# KiCad board q2.kicad_pcb (continued)
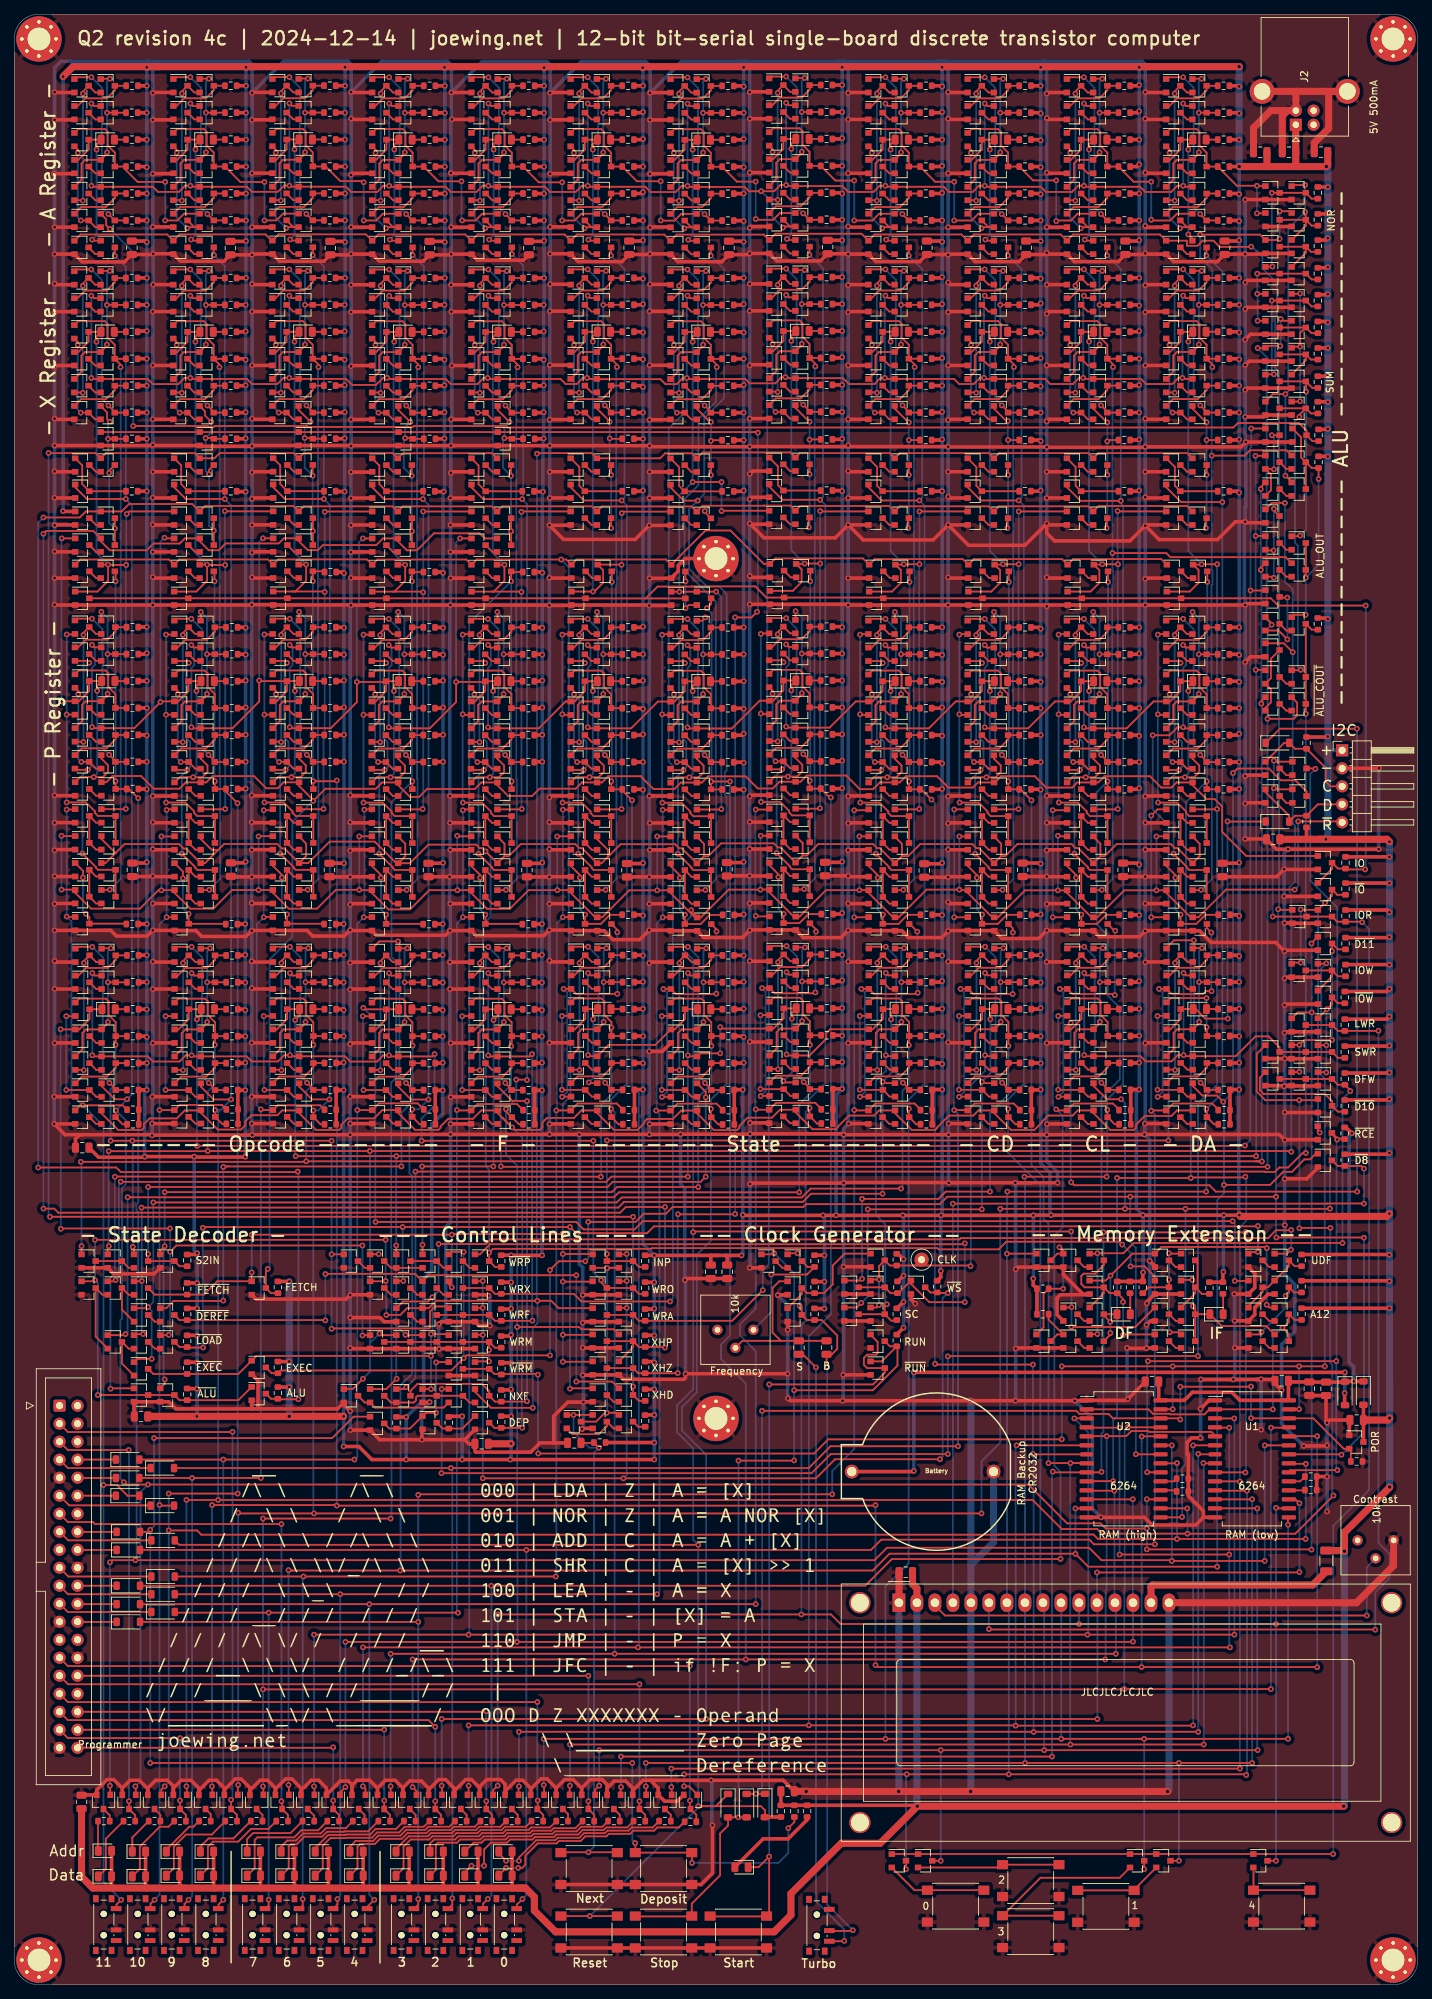
[diagram p0: board, top side]
## Routing (per net, layer and track width the routed paths; a pad name or vN(x,y) marks a point on that pad's centre or on a via; arc(x,y) is an arc through that point) (continued)
  Top w0.25: R177.2 Q412.3 v1(111.15,141.55) ; Q408.1 110.3,146.35 v1(111.55,146.35) ; Q416.1 107.55,132.1 107.55,134.39 108.06,134.9 Q409.1 111.15,135.8 v1(111.15,135.95)
  Bottom w0.25: v1(111.15,135.95) v1(111.15,141.55) 111.15,145.95 v1(111.55,146.35)
Net-(Q408-Pad2): length 19.8
  Top w0.25: Q408.2 109.5,144.4 Q411.3 107.75,144.55 v1(107.75,144.25) ; v1(107.75,129.15) 107.7,129.2 Q416.2
  Bottom w0.25: v1(107.75,129.15) v1(107.75,144.25)
Net-(Q408-Pad3): length 8.8
  Top w0.25: Q415.1 107,142.5 108.08,143.58 111.13,143.58 112.25,144.7 Q408.3 R175.2
Net-(Q409-Pad2): length 2.1
  Top w0.25: Q410.3 109.5,133 Q409.2
Net-(Q411-Pad1): length 25.6
  Top w0.25: R180.2 Q417.3 112.25,126.48 v1(111.37,127.36) ; Q411.1 106.8,146.55 v1(108.95,146.55)
  Bottom w0.25: v1(108.95,146.55) 110.42,145.08 110.42,128.3 v1(111.37,127.36)
Net-(Q412-Pad2): length 2.1
  Top w0.25: Q415.3 109.5,140.6 Q412.2
Net-(Q413-Pad2): length 2.1
  Top w0.25: Q416.3 109.5,129.2 Q413.2
Net-(Q413-Pad3): length 8.8
  Top w0.25: Q418.1 107.5,128.25 111,128.25 112.25,129.5 Q413.3 R178.2
Net-(Q414-Pad2): length 17.1
  Top w0.25: Q417.2 109.5,125.4 Q418.3 105.3,126.35 v1(105.28,126.37) ; v1(105.28,136.77) 105.3,136.8 Q414.2
  Bottom w0.25: v1(105.28,126.37) v1(105.28,136.77)
Net-(Q419-Pad2): length 2.1
  Top w0.25: Q420.3 123.45,121.45 Q419.2
Net-(Q422-Pad2): length 2.1
  Top w0.25: Q423.3 123.45,244.15 Q422.2
Net-(Q424-Pad1): length 22.6
  Top w0.25: R186.2 Q428.3 v1(125.1,264.1) ; Q424.1 124.25,268.9 v1(125.5,268.9) ; Q432.1 121.5,254.65 121.5,256.94 122.01,257.45 Q425.1 125.1,258.35 v1(125.1,258.5)
  Bottom w0.25: v1(125.1,258.5) v1(125.1,264.1) 125.1,268.5 v1(125.5,268.9)
Net-(Q424-Pad2): length 19.8
  Top w0.25: Q424.2 123.45,266.95 Q427.3 121.7,267.1 v1(121.7,266.8) ; v1(121.7,251.7) 121.65,251.75 Q432.2
  Bottom w0.25: v1(121.7,251.7) v1(121.7,266.8)
Net-(Q424-Pad3): length 8.8
  Top w0.25: Q431.1 120.95,265.05 122.03,266.13 125.08,266.13 126.2,267.25 Q424.3 R184.2
Net-(Q425-Pad2): length 2.1
  Top w0.25: Q426.3 123.45,255.55 Q425.2
Net-(Q427-Pad1): length 25.6
  Top w0.25: R189.2 Q433.3 v1(125.3,249.8) ; Q427.1 120.75,269.1 v1(122.9,269.1)
  Bottom w0.25: v1(122.9,269.1) 124.37,267.63 124.37,250.73 v1(125.3,249.8)
Net-(Q428-Pad2): length 2.1
  Top w0.25: Q431.3 123.45,263.15 Q428.2
Net-(Q429-Pad2): length 2.1
  Top w0.25: Q432.3 123.45,251.75 Q429.2
Net-(Q429-Pad3): length 8.8
  Top w0.25: Q434.1 121.45,250.8 124.95,250.8 126.2,252.05 Q429.3 R187.2
Net-(Q430-Pad2): length 16.3
  Top w0.25: Q434.3 123.45,247.95 Q433.2 122.6,247.95 v1(122.45,247.79) ; Q430.2 120.98,258.88 v1(120.98,258.45)
  Bottom w0.25: v1(120.98,258.45) 120.98,249.26 v1(122.45,247.79)
Net-(Q435-Pad2): length 2.1
  Top w0.25: Q436.3 123.48,167.72 Q435.2
Net-(Q437-Pad2): length 8
  Top w0.25: Q437.2 123.48,156.32 Q442.3 Q441.3 123.48,152.52 Q438.2
Net-(Q439-Pad2): length 8
  Top w0.25: Q440.2 123.48,163.92 Q444.3 Q443.3 123.48,160.12 Q439.2
Net-(Q442-Pad1): length 15.2
  Top w0.25: v1(121.8,156.18) 121.8,156.56 120.53,157.84 Q442.1 ; v1(122.54,150.98) 122.54,149.68 Q445.3 124.76,149.67 126.04,150.95 127.77,150.95
  Bottom w0.25: v1(122.54,150.98) 121.8,151.72 v1(121.8,156.18)
Net-(Q446-Pad1): length 23.9
  Top w0.25: R193.2 Q450.3 v1(125.1,187.7) ; 124.25,192.5 Q446.1 124.23,192.48 v1(124.23,193.67) ; Q454.1 121.5,178.25 121.5,180.54 122.01,181.05 Q447.1 125.1,181.95 v1(125.1,182.1)
  Bottom w0.25: v1(125.1,182.1) v1(125.1,187.7) 125.1,192.8 v1(124.23,193.67)
Net-(Q446-Pad2): length 19.8
  Top w0.25: Q446.2 123.45,190.55 Q449.3 121.7,190.7 v1(121.7,190.4) ; v1(121.7,175.3) 121.65,175.35 Q454.2
  Bottom w0.25: v1(121.7,175.3) v1(121.7,190.4)
Net-(Q446-Pad3): length 8.8
  Top w0.25: Q453.1 120.95,188.65 122.03,189.73 125.08,189.73 126.2,190.85 Q446.3 R191.2
Net-(Q447-Pad2): length 2.1
  Top w0.25: Q448.3 123.45,179.15 Q447.2
Net-(Q449-Pad1): length 25.6
  Top w0.25: R196.2 Q455.3 126.2,172.63 v1(125.32,173.51) ; Q449.1 120.75,192.7 v1(122.9,192.7)
  Bottom w0.25: v1(122.9,192.7) 124.37,191.23 124.37,174.45 v1(125.32,173.51)
Net-(Q450-Pad2): length 2.1
  Top w0.25: Q453.3 123.45,186.75 Q450.2
Net-(Q451-Pad2): length 2.1
  Top w0.25: Q454.3 123.45,175.35 Q451.2
Net-(Q451-Pad3): length 8.8
  Top w0.25: Q456.1 121.45,174.4 124.95,174.4 126.2,175.65 Q451.3 R194.2
Net-(Q452-Pad2): length 14
  Top w0.25: Q455.2 123.45,171.55 Q456.3 v1(121.4,172.5) ; Q452.2 120.98,182.47 v1(120.98,182.05)
  Bottom w0.25: v1(120.98,182.05) 120.98,172.92 v1(121.4,172.5)
Net-(Q457-Pad2): length 2.1
  Top w0.25: Q460.3 123.55,198.45 Q457.2
Net-(Q458-Pad2): length 2.1
  Top w0.25: Q461.3 123.45,205.95 Q458.2
Net-(Q459-Pad2): length 2.1
  Top w0.25: Q462.3 123.45,213.45 Q459.2
Net-(Q462-Pad1): length 10.8
  Top w0.25: R198.2 Q464.3 121.72,211.48 121.72,214.13 Q462.1
Net-(Q465-Pad1): length 22.6
  Top w0.25: R201.2 Q469.3 v1(125.1,237) ; Q465.1 124.25,241.8 v1(125.5,241.8) ; Q473.1 121.5,227.55 121.5,229.84 122.01,230.35 Q466.1 125.1,231.25 v1(125.1,231.4)
  Bottom w0.25: v1(125.1,231.4) v1(125.1,237) 125.1,241.4 v1(125.5,241.8)
Net-(Q465-Pad2): length 19.8
  Top w0.25: Q465.2 123.45,239.85 Q468.3 121.7,240 v1(121.7,239.7) ; v1(121.7,224.6) 121.65,224.65 Q473.2
  Bottom w0.25: v1(121.7,224.6) v1(121.7,239.7)
Net-(Q465-Pad3): length 8.8
  Top w0.25: Q472.1 120.95,237.95 122.03,239.03 125.08,239.03 126.2,240.15 Q465.3 R199.2
Net-(Q466-Pad2): length 2.1
  Top w0.25: Q467.3 123.45,228.45 Q466.2
Net-(Q468-Pad1): length 25.6
  Top w0.25: R204.2 Q474.3 126.2,221.93 v1(125.32,222.81) ; Q468.1 120.75,242 v1(122.9,242)
  Bottom w0.25: v1(122.9,242) 124.37,240.53 124.37,223.75 v1(125.32,222.81)
Net-(Q469-Pad2): length 2.1
  Top w0.25: Q472.3 123.45,236.05 Q469.2
Net-(Q470-Pad2): length 2.1
  Top w0.25: Q473.3 123.45,224.65 Q470.2
Net-(Q470-Pad3): length 8.8
  Top w0.25: Q475.1 121.45,223.7 124.95,223.7 126.2,224.95 Q470.3 R202.2
Net-(Q471-Pad2): length 14
  Top w0.25: Q474.2 123.45,220.85 Q475.3 v1(121.4,221.8) ; Q471.2 120.98,231.77 v1(120.98,231.35)
  Bottom w0.25: v1(120.98,231.35) 120.98,222.22 v1(121.4,221.8)
Net-(Q476-Pad1): length 22.6
  Top w0.25: R207.2 Q480.3 v1(125.15,141.45) ; Q476.1 124.3,146.25 v1(125.55,146.25) ; Q484.1 121.55,132 121.55,134.29 122.06,134.8 Q477.1 125.15,135.7 v1(125.15,135.85)
  Bottom w0.25: v1(125.15,135.85) v1(125.15,141.45) 125.15,145.85 v1(125.55,146.25)
Net-(Q476-Pad2): length 19.8
  Top w0.25: Q476.2 123.5,144.3 Q479.3 121.75,144.45 v1(121.75,144.15) ; v1(121.75,129.05) 121.7,129.1 Q484.2
  Bottom w0.25: v1(121.75,129.05) v1(121.75,144.15)
Net-(Q476-Pad3): length 8.8
  Top w0.25: Q483.1 121,142.4 122.08,143.48 125.13,143.48 126.25,144.6 Q476.3 R205.2
Net-(Q477-Pad2): length 2.1
  Top w0.25: Q478.3 123.5,132.9 Q477.2
Net-(Q479-Pad1): length 25.6
  Top w0.25: R210.2 Q485.3 126.25,126.38 v1(125.37,127.26) ; Q479.1 120.8,146.45 v1(122.95,146.45)
  Bottom w0.25: v1(122.95,146.45) 124.42,144.98 124.42,128.2 v1(125.37,127.26)
Net-(Q480-Pad2): length 2.1
  Top w0.25: Q483.3 123.5,140.5 Q480.2
Net-(Q481-Pad2): length 2.1
  Top w0.25: Q484.3 123.5,129.1 Q481.2
Net-(Q481-Pad3): length 8.8
  Top w0.25: Q486.1 121.5,128.15 125,128.15 126.25,129.4 Q481.3 R208.2
Net-(Q482-Pad2): length 17.1
  Top w0.25: Q485.2 123.5,125.3 Q486.3 119.3,126.25 v1(119.28,126.27) ; v1(119.28,136.67) 119.3,136.7 Q482.2
  Bottom w0.25: v1(119.28,126.27) v1(119.28,136.67)
Net-(Q487-Pad2): length 2.1
  Top w0.25: Q488.3 151.45,121.45 Q487.2
Net-(Q490-Pad2): length 2.1
  Top w0.25: Q491.3 151.45,244.15 Q490.2
Net-(Q492-Pad1): length 22.6
  Top w0.25: R216.2 Q496.3 v1(153.1,264.1) ; Q492.1 152.25,268.9 v1(153.5,268.9) ; Q500.1 149.5,254.65 149.5,256.94 150.01,257.45 Q493.1 153.1,258.35 v1(153.1,258.5)
  Bottom w0.25: v1(153.1,258.5) v1(153.1,264.1) 153.1,268.5 v1(153.5,268.9)
Net-(Q492-Pad2): length 19.8
  Top w0.25: Q492.2 151.45,266.95 Q495.3 149.7,267.1 v1(149.7,266.8) ; v1(149.7,251.7) 149.65,251.75 Q500.2
  Bottom w0.25: v1(149.7,251.7) v1(149.7,266.8)
Net-(Q492-Pad3): length 8.8
  Top w0.25: Q499.1 148.95,265.05 150.03,266.13 153.08,266.13 154.2,267.25 Q492.3 R214.2
Net-(Q493-Pad2): length 2.1
  Top w0.25: Q494.3 151.45,255.55 Q493.2
Net-(Q495-Pad1): length 25.6
  Top w0.25: R219.2 Q501.3 v1(153.3,249.8) ; Q495.1 148.75,269.1 v1(150.9,269.1)
  Bottom w0.25: v1(150.9,269.1) 152.37,267.63 152.37,250.73 v1(153.3,249.8)
Net-(Q496-Pad2): length 2.1
  Top w0.25: Q499.3 151.45,263.15 Q496.2
Net-(Q497-Pad2): length 2.1
  Top w0.25: Q500.3 151.45,251.75 Q497.2
Net-(Q497-Pad3): length 8.8
  Top w0.25: Q502.1 149.45,250.8 152.95,250.8 154.2,252.05 Q497.3 R217.2
Net-(Q498-Pad2): length 16.3
  Top w0.25: Q502.3 151.45,247.95 Q501.2 150.6,247.95 v1(150.45,247.79) ; Q498.2 148.98,258.88 v1(148.98,258.45)
  Bottom w0.25: v1(148.98,258.45) 148.98,249.26 v1(150.45,247.79)
Net-(Q503-Pad2): length 2.1
  Top w0.25: Q504.3 151.48,167.72 Q503.2
Net-(Q505-Pad2): length 8
  Top w0.25: Q505.2 151.48,156.32 Q510.3 Q509.3 151.48,152.52 Q506.2
Net-(Q507-Pad2): length 8
  Top w0.25: Q508.2 151.48,163.92 Q512.3 Q511.3 151.48,160.12 Q507.2
Net-(Q510-Pad1): length 15.2
  Top w0.25: v1(149.8,156.18) 149.8,156.56 148.53,157.84 Q510.1 ; v1(150.54,150.98) 150.54,149.68 Q513.3 152.76,149.67 154.04,150.95 155.77,150.95
  Bottom w0.25: v1(150.54,150.98) 149.8,151.72 v1(149.8,156.18)
Net-(Q514-Pad1): length 23.9
  Top w0.25: R223.2 Q518.3 v1(153.1,187.7) ; 152.25,192.5 Q514.1 152.23,192.48 v1(152.23,193.67) ; Q522.1 149.5,178.25 149.5,180.54 150.01,181.05 Q515.1 153.1,181.95 v1(153.1,182.1)
  Bottom w0.25: v1(153.1,182.1) v1(153.1,187.7) 153.1,192.8 v1(152.23,193.67)
Net-(Q514-Pad2): length 19.8
  Top w0.25: Q514.2 151.45,190.55 Q517.3 149.7,190.7 v1(149.7,190.4) ; v1(149.7,175.3) 149.65,175.35 Q522.2
  Bottom w0.25: v1(149.7,175.3) v1(149.7,190.4)
Net-(Q514-Pad3): length 8.8
  Top w0.25: Q521.1 148.95,188.65 150.03,189.73 153.08,189.73 154.2,190.85 Q514.3 R221.2
Net-(Q515-Pad2): length 2.1
  Top w0.25: Q516.3 151.45,179.15 Q515.2
Net-(Q517-Pad1): length 25.6
  Top w0.25: R226.2 Q523.3 154.2,172.63 v1(153.32,173.51) ; Q517.1 148.75,192.7 v1(150.9,192.7)
  Bottom w0.25: v1(150.9,192.7) 152.37,191.23 152.37,174.45 v1(153.32,173.51)
Net-(Q518-Pad2): length 2.1
  Top w0.25: Q521.3 151.45,186.75 Q518.2
Net-(Q519-Pad2): length 2.1
  Top w0.25: Q522.3 151.45,175.35 Q519.2
Net-(Q519-Pad3): length 8.8
  Top w0.25: Q524.1 149.45,174.4 152.95,174.4 154.2,175.65 Q519.3 R224.2
Net-(Q520-Pad2): length 14
  Top w0.25: Q523.2 151.45,171.55 Q524.3 v1(149.4,172.5) ; Q520.2 148.98,182.47 v1(148.98,182.05)
  Bottom w0.25: v1(148.98,182.05) 148.98,172.92 v1(149.4,172.5)
Net-(Q525-Pad2): length 2.1
  Top w0.25: Q528.3 151.55,198.45 Q525.2
Net-(Q526-Pad2): length 2.1
  Top w0.25: Q529.3 151.45,205.95 Q526.2
Net-(Q527-Pad2): length 2.1
  Top w0.25: Q530.3 151.45,213.45 Q527.2
Net-(Q530-Pad1): length 10.8
  Top w0.25: R228.2 Q532.3 149.72,211.48 149.72,214.13 Q530.1
Net-(Q533-Pad1): length 22.6
  Top w0.25: R231.2 Q537.3 v1(153.1,237) ; Q533.1 152.25,241.8 v1(153.5,241.8) ; Q541.1 149.5,227.55 149.5,229.84 150.01,230.35 Q534.1 153.1,231.25 v1(153.1,231.4)
  Bottom w0.25: v1(153.1,231.4) v1(153.1,237) 153.1,241.4 v1(153.5,241.8)
Net-(Q533-Pad2): length 19.8
  Top w0.25: Q533.2 151.45,239.85 Q536.3 149.7,240 v1(149.7,239.7) ; v1(149.7,224.6) 149.65,224.65 Q541.2
  Bottom w0.25: v1(149.7,224.6) v1(149.7,239.7)
Net-(Q533-Pad3): length 8.8
  Top w0.25: Q540.1 148.95,237.95 150.03,239.03 153.08,239.03 154.2,240.15 Q533.3 R229.2
Net-(Q534-Pad2): length 2.1
  Top w0.25: Q535.3 151.45,228.45 Q534.2
Net-(Q536-Pad1): length 25.6
  Top w0.25: R234.2 Q542.3 154.2,221.93 v1(153.32,222.81) ; Q536.1 148.75,242 v1(150.9,242)
  Bottom w0.25: v1(150.9,242) 152.37,240.53 152.37,223.75 v1(153.32,222.81)
Net-(Q537-Pad2): length 2.1
  Top w0.25: Q540.3 151.45,236.05 Q537.2
Net-(Q538-Pad2): length 2.1
  Top w0.25: Q541.3 151.45,224.65 Q538.2
Net-(Q538-Pad3): length 8.8
  Top w0.25: Q543.1 149.45,223.7 152.95,223.7 154.2,224.95 Q538.3 R232.2
Net-(Q539-Pad2): length 14
  Top w0.25: Q542.2 151.45,220.85 Q543.3 v1(149.4,221.8) ; Q539.2 148.98,231.77 v1(148.98,231.35)
  Bottom w0.25: v1(148.98,231.35) 148.98,222.22 v1(149.4,221.8)
Net-(Q544-Pad1): length 22.6
  Top w0.25: R237.2 Q548.3 v1(153.15,141.45) ; Q544.1 152.3,146.25 v1(153.55,146.25) ; Q552.1 149.55,132 149.55,134.29 150.06,134.8 Q545.1 153.15,135.7 v1(153.15,135.85)
  Bottom w0.25: v1(153.15,135.85) v1(153.15,141.45) 153.15,145.85 v1(153.55,146.25)
Net-(Q544-Pad2): length 19.8
  Top w0.25: Q544.2 151.5,144.3 Q547.3 149.75,144.45 v1(149.75,144.15) ; v1(149.75,129.05) 149.7,129.1 Q552.2
  Bottom w0.25: v1(149.75,129.05) v1(149.75,144.15)
Net-(Q544-Pad3): length 8.8
  Top w0.25: Q551.1 149,142.4 150.08,143.48 153.13,143.48 154.25,144.6 Q544.3 R235.2
Net-(Q545-Pad2): length 2.1
  Top w0.25: Q546.3 151.5,132.9 Q545.2
Net-(Q547-Pad1): length 25.6
  Top w0.25: R240.2 Q553.3 154.25,126.38 v1(153.37,127.26) ; Q547.1 148.8,146.45 v1(150.95,146.45)
  Bottom w0.25: v1(150.95,146.45) 152.42,144.98 152.42,128.2 v1(153.37,127.26)
Net-(Q548-Pad2): length 2.1
  Top w0.25: Q551.3 151.5,140.5 Q548.2
Net-(Q549-Pad2): length 2.1
  Top w0.25: Q552.3 151.5,129.1 Q549.2
Net-(Q549-Pad3): length 8.8
  Top w0.25: Q554.1 149.5,128.15 153,128.15 154.25,129.4 Q549.3 R238.2
Net-(Q550-Pad2): length 17.1
  Top w0.25: Q553.2 151.5,125.3 Q554.3 147.3,126.25 v1(147.28,126.27) ; v1(147.28,136.67) 147.3,136.7 Q550.2
  Bottom w0.25: v1(147.28,126.27) v1(147.28,136.67)
Net-(Q555-Pad2): length 2.1
  Top w0.25: Q556.3 165.45,121.45 Q555.2
Net-(Q558-Pad2): length 2.1
  Top w0.25: Q559.3 165.45,244.15 Q558.2
Net-(Q560-Pad1): length 22.6
  Top w0.25: R246.2 Q564.3 v1(167.1,264.1) ; Q560.1 166.25,268.9 v1(167.5,268.9) ; Q568.1 163.5,254.65 163.5,256.94 164.01,257.45 Q561.1 167.1,258.35 v1(167.1,258.5)
  Bottom w0.25: v1(167.1,258.5) v1(167.1,264.1) 167.1,268.5 v1(167.5,268.9)
Net-(Q560-Pad2): length 19.8
  Top w0.25: Q560.2 165.45,266.95 Q563.3 163.7,267.1 v1(163.7,266.8) ; v1(163.7,251.7) 163.65,251.75 Q568.2
  Bottom w0.25: v1(163.7,251.7) v1(163.7,266.8)
Net-(Q560-Pad3): length 8.8
  Top w0.25: Q567.1 162.95,265.05 164.03,266.13 167.08,266.13 168.2,267.25 Q560.3 R244.2
Net-(Q561-Pad2): length 2.1
  Top w0.25: Q562.3 165.45,255.55 Q561.2
Net-(Q563-Pad1): length 25.6
  Top w0.25: R249.2 Q569.3 v1(167.3,249.8) ; Q563.1 162.75,269.1 v1(164.9,269.1)
  Bottom w0.25: v1(164.9,269.1) 166.37,267.63 166.37,250.73 v1(167.3,249.8)
Net-(Q564-Pad2): length 2.1
  Top w0.25: Q567.3 165.45,263.15 Q564.2
Net-(Q565-Pad2): length 2.1
  Top w0.25: Q568.3 165.45,251.75 Q565.2
Net-(Q565-Pad3): length 8.8
  Top w0.25: Q570.1 163.45,250.8 166.95,250.8 168.2,252.05 Q565.3 R247.2
Net-(Q566-Pad2): length 16.3
  Top w0.25: Q570.3 165.45,247.95 Q569.2 164.6,247.95 v1(164.45,247.79) ; Q566.2 162.98,258.88 v1(162.98,258.45)
  Bottom w0.25: v1(162.98,258.45) 162.98,249.26 v1(164.45,247.79)
Net-(Q571-Pad2): length 2.1
  Top w0.25: Q572.3 165.48,167.72 Q571.2
Net-(Q573-Pad2): length 8
  Top w0.25: Q573.2 165.48,156.32 Q578.3 Q577.3 165.48,152.52 Q574.2
Net-(Q575-Pad2): length 8
  Top w0.25: Q576.2 165.48,163.92 Q580.3 Q579.3 165.48,160.12 Q575.2
Net-(Q578-Pad1): length 15.2
  Top w0.25: v1(163.8,156.18) 163.8,156.56 162.53,157.84 Q578.1 ; v1(164.54,150.98) 164.54,149.68 Q581.3 166.76,149.67 168.04,150.95 169.77,150.95
  Bottom w0.25: v1(164.54,150.98) 163.8,151.72 v1(163.8,156.18)
Net-(Q582-Pad1): length 23.9
  Top w0.25: R253.2 Q586.3 v1(167.1,187.7) ; 166.25,192.5 Q582.1 166.23,192.48 v1(166.23,193.67) ; Q590.1 163.5,178.25 163.5,180.54 164.01,181.05 Q583.1 167.1,181.95 v1(167.1,182.1)
  Bottom w0.25: v1(167.1,182.1) v1(167.1,187.7) 167.1,192.8 v1(166.23,193.67)
Net-(Q582-Pad2): length 19.8
  Top w0.25: Q582.2 165.45,190.55 Q585.3 163.7,190.7 v1(163.7,190.4) ; v1(163.7,175.3) 163.65,175.35 Q590.2
  Bottom w0.25: v1(163.7,175.3) v1(163.7,190.4)
Net-(Q582-Pad3): length 8.8
  Top w0.25: Q589.1 162.95,188.65 164.03,189.73 167.08,189.73 168.2,190.85 Q582.3 R251.2
Net-(Q583-Pad2): length 2.1
  Top w0.25: Q584.3 165.45,179.15 Q583.2
Net-(Q585-Pad1): length 25.6
  Top w0.25: R256.2 Q591.3 168.2,172.63 v1(167.32,173.51) ; Q585.1 162.75,192.7 v1(164.9,192.7)
  Bottom w0.25: v1(164.9,192.7) 166.37,191.23 166.37,174.45 v1(167.32,173.51)
Net-(Q586-Pad2): length 2.1
  Top w0.25: Q589.3 165.45,186.75 Q586.2
Net-(Q587-Pad2): length 2.1
  Top w0.25: Q590.3 165.45,175.35 Q587.2
Net-(Q587-Pad3): length 8.8
  Top w0.25: Q592.1 163.45,174.4 166.95,174.4 168.2,175.65 Q587.3 R254.2
Net-(Q588-Pad2): length 14
  Top w0.25: Q591.2 165.45,171.55 Q592.3 v1(163.4,172.5) ; Q588.2 162.98,182.47 v1(162.98,182.05)
  Bottom w0.25: v1(162.98,182.05) 162.98,172.92 v1(163.4,172.5)
Net-(Q593-Pad2): length 2.1
  Top w0.25: Q596.3 165.55,198.45 Q593.2
Net-(Q594-Pad2): length 2.1
  Top w0.25: Q597.3 165.45,205.95 Q594.2
Net-(Q595-Pad2): length 2.1
  Top w0.25: Q598.3 165.45,213.45 Q595.2
Net-(Q598-Pad1): length 10.8
  Top w0.25: R258.2 Q600.3 163.72,211.48 163.72,214.13 Q598.1
Net-(Q601-Pad1): length 22.6
  Top w0.25: R261.2 Q605.3 v1(167.1,237) ; Q601.1 166.25,241.8 v1(167.5,241.8) ; Q609.1 163.5,227.55 163.5,229.84 164.01,230.35 Q602.1 167.1,231.25 v1(167.1,231.4)
  Bottom w0.25: v1(167.1,231.4) v1(167.1,237) 167.1,241.4 v1(167.5,241.8)
Net-(Q601-Pad2): length 19.8
  Top w0.25: Q601.2 165.45,239.85 Q604.3 163.7,240 v1(163.7,239.7) ; v1(163.7,224.6) 163.65,224.65 Q609.2
  Bottom w0.25: v1(163.7,224.6) v1(163.7,239.7)
Net-(Q601-Pad3): length 8.8
  Top w0.25: Q608.1 162.95,237.95 164.03,239.03 167.08,239.03 168.2,240.15 Q601.3 R259.2
Net-(Q602-Pad2): length 2.1
  Top w0.25: Q603.3 165.45,228.45 Q602.2
Net-(Q604-Pad1): length 25.6
  Top w0.25: R264.2 Q610.3 168.2,221.93 v1(167.32,222.81) ; Q604.1 162.75,242 v1(164.9,242)
  Bottom w0.25: v1(164.9,242) 166.37,240.53 166.37,223.75 v1(167.32,222.81)
Net-(Q605-Pad2): length 2.1
  Top w0.25: Q608.3 165.45,236.05 Q605.2
Net-(Q606-Pad2): length 2.1
  Top w0.25: Q609.3 165.45,224.65 Q606.2
Net-(Q606-Pad3): length 8.8
  Top w0.25: Q611.1 163.45,223.7 166.95,223.7 168.2,224.95 Q606.3 R262.2
Net-(Q607-Pad2): length 14
  Top w0.25: Q610.2 165.45,220.85 Q611.3 v1(163.4,221.8) ; Q607.2 162.98,231.77 v1(162.98,231.35)
  Bottom w0.25: v1(162.98,231.35) 162.98,222.22 v1(163.4,221.8)
Net-(Q612-Pad1): length 22.6
  Top w0.25: R267.2 Q616.3 v1(167.15,141.45) ; Q612.1 166.3,146.25 v1(167.55,146.25) ; Q620.1 163.55,132 163.55,134.29 164.06,134.8 Q613.1 167.15,135.7 v1(167.15,135.85)
  Bottom w0.25: v1(167.15,135.85) v1(167.15,141.45) 167.15,145.85 v1(167.55,146.25)
Net-(Q612-Pad2): length 19.8
  Top w0.25: Q612.2 165.5,144.3 Q615.3 163.75,144.45 v1(163.75,144.15) ; v1(163.75,129.05) 163.7,129.1 Q620.2
  Bottom w0.25: v1(163.75,129.05) v1(163.75,144.15)
Net-(Q612-Pad3): length 8.8
  Top w0.25: Q619.1 163,142.4 164.08,143.48 167.13,143.48 168.25,144.6 Q612.3 R265.2
Net-(Q613-Pad2): length 2.1
  Top w0.25: Q614.3 165.5,132.9 Q613.2
Net-(Q615-Pad1): length 27.8
  Top w0.25: R270.2 Q621.3 168.25,126.38 v1(167.37,127.26) ; Q615.1 162.55,146.3 163.6,147.35 v1(166.4,147.35)
  Bottom w0.25: v1(167.37,127.26) 166.42,128.2 166.42,147.33 v1(166.4,147.35)
Net-(Q616-Pad2): length 2.1
  Top w0.25: Q619.3 165.5,140.5 Q616.2
Net-(Q617-Pad2): length 2.1
  Top w0.25: Q620.3 165.5,129.1 Q617.2
Net-(Q617-Pad3): length 8.8
  Top w0.25: Q622.1 163.5,128.15 167,128.15 168.25,129.4 Q617.3 R268.2
Net-(Q618-Pad2): length 17.1
  Top w0.25: Q621.2 165.5,125.3 Q622.3 161.3,126.25 v1(161.28,126.27) ; v1(161.28,136.67) 161.3,136.7 Q618.2
  Bottom w0.25: v1(161.28,126.27) v1(161.28,136.67)
Net-(Q623-Pad1): length 17.5
  Top w0.25: Q623.1 111.1,97.45 Q624.3 111.83,97.57 R273.2 114.23,97.57 115.46,98.81 115.46,101.46 117.15,103.15 Q627.1
Net-(Q625-Pad2): length 2.1
  Top w0.25: Q628.3 108.35,101.15 Q625.2
Net-(Q625-Pad3): length 17.5
  Top w0.25: v1(106.8,100.2) 111.83,100.2 R272.2 111.92,101.27 Q625.3
  Bottom w0.25: v1(106.8,100.2) 106.8,94.92 RV1.3
Net-(Q641-Pad3): length 26.8
  Top w0.25: Q651.1 181.25,128.75 v1(181.3,128.8) ; R290.2 186.73,146.07 Q641.3 v1(185.9,145.8) ; Q645.1 180.25,132.6 v1(181.3,132.6) 181.98,133.28 185.88,133.28 v1(185.9,133.3)
  Bottom w0.25: v1(181.3,128.8) v1(181.3,132.6) ; v1(185.9,145.8) v1(185.9,133.3)
Net-(Q647-Pad3): length 9.6
  Top w0.25: Q648.3 Q647.3 ; Q648.3 185.9,142.25 Q649.1 ; Q648.3 186.73,142.27 R293.2
Net-(Q650-Pad1): length 16.5
  Top w0.25: R296.2 186.73,123.17 Q653.3 185.9,124.65 184.87,125.68 176.24,125.68 175.72,126.19 175.72,127.97 Q650.1
Net-(Q654-Pad2): length 2.1
  Top w0.25: Q654.2 19.85,93.55 Q658.3
Net-(Q655-Pad2): length 2.1
  Top w0.25: Q655.2 19.85,89.75 Q659.3
Net-(Q657-Pad2): length 7.5
  Top w0.25: Q657.2 16.15,97.35 Q661.3 15.2,95.25 Q658.2
Net-(Q659-Pad2): length 7.5
  Top w0.25: Q659.2 16.15,89.75 Q662.3 15.2,87.65 Q660.2
Net-(Q661-Pad2): length 11.3
  Top w0.25: Q661.2 12.45,97.35 Q663.3 11.5,91.45 Q662.2
Net-(Q665-Pad2): length 5.8
  Top w0.25: Q665.2 16.15,101.15 Q670.3 Q669.3
Net-(Q675-Pad2): length 31.8
  Top w0.25: Q683.1 85,80.7 v1(83.6,80.7) 83.34,80.7 82.09,79.45 Q682.3 ; Q675.2 Q676.2 83.7,101.15 v1(83.65,101.1)
  Bottom w0.25: v1(83.65,101.1) 83.65,80.75 v1(83.6,80.7)
Net-(Q677-Pad2): length 14.2
  Top w0.25: Q678.2 64.25,82.15 Q681.3 Q679.3 56.9,83.1 56.68,82.88 56.68,82.44 56.39,82.15 Q677.2 53.15,82.15 Q680.3
Net-(Q680-Pad2): length 13.8
  Top w0.25: Q681.2 60.57,81.42 50.93,81.42 Q680.2 49.45,82.15 Q686.3
Net-(Q682-Pad2): length 9.2
  Top w0.25: Q682.2 78.78,77.67 82.47,77.67 83.6,78.8 Q687.3 84.55,78.5 Q683.2
Net-(Q683-Pad3): length 2
  Top w0.25: 89,78.72 88.02,78.72 Q683.3
Net-(Q688-Pad2): length 2.1
  Top w0.25: Q688.2 84.55,82.25 Q689.3
Net-(Q690-Pad2): length 2.1
  Top w0.25: Q690.2 60.55,97.35 Q699.3
Net-(Q692-Pad3): length 22.5
  Top w0.25: Q692.3 Q693.3 Q694.3 Q695.3 Q696.3 ; R314.2 67.83,89.87 Q696.3 ; Q696.3 67,89.57 v1(66.97,89.55) ; Q696.3 67,89.85 ; Q697.1 65.1,87.95 v1(66.97,87.95)
  Bottom w0.25: v1(66.97,89.55) v1(66.97,87.95)
Net-(Q698-Pad1): length 17.4
  Top w0.25: Q706.3 52.92,78.47 55.83,78.47 Q707.1 58.05,80.7 v1(59.5,80.7) ; v1(59.52,87.81) 59.57,87.85 Q698.1
  Bottom w0.25: v1(59.5,80.7) 59.52,80.72 v1(59.52,87.81)
Net-(Q699-Pad2): length 2.1
  Top w0.25: Q699.2 56.85,97.35 Q700.3
Net-(Q700-Pad2): length 2.1
  Top w0.25: Q700.2 53.15,97.35 Q704.3
Net-(Q701-Pad2): length 2.1
  Top w0.25: Q701.2 56.85,93.55 Q705.3
Net-(Q707-Pad3): length 6.5
  Top w0.25: Q708.1 63.22,78.47 R319.2 60.42,78.47 Q707.3
Net-(Q709-Pad2): length 2.1
  Top w0.25: Q709.2 64.25,101.15 Q710.3
Net-(Q710-Pad2): length 5.8
  Top w0.25: Q712.3 Q711.3 60.55,101.15 Q710.2
Net-(Q711-Pad2): length 5.8
  Top w0.25: Q717.3 53.15,101.15 Q712.2 Q711.2
Net-(Q717-Pad2): length 2.1
  Top w0.25: Q717.2 49.45,101.15 Q718.3
Net-(Q719-Pad3): length 18.3
  Top w0.25: v1(177.5,242.4) 176.55,242.4 Q723.1 ; v1(177.4,252.8) Q719.3 Q720.3 183.02,251.97 183.9,251.97
  Bottom w0.25: v1(177.4,252.8) 177.4,242.5 v1(177.5,242.4)
Net-(Q721-Pad1): length 17.8
  Top w0.25: R326.2 183.02,240.57 Q724.3 Q723.3 v1(175.35,241.4) ; v1(175.35,238.55) Q721.1 ; Q729.1 v1(175.4,234.75)
  Bottom w0.25: v1(175.4,234.75) 175.4,238.5 v1(175.35,238.55) v1(175.35,241.4)
Net-(Q721-Pad3): length 18.6
  Top w0.25: R325.2 183.02,236.77 Q722.3 Q721.3 v1(177.4,237.6) ; v1(177.7,227.2) 176.55,227.2 Q725.1
  Bottom w0.25: v1(177.7,227.2) 177.4,227.5 v1(177.4,237.6)
Net-(Q722-Pad1): length 27.7
  Top w0.25: Q722.1 181.35,238.55 v1(181.4,238.6) ; Q730.3 181.4,233 v1(181.4,231.1) 180.35,231.1 Q734.1 ; Q730.3 183,233 R329.2 ; Q730.3 Q729.3 ; Q736.1 181.35,223.35 v1(181.4,223.4)
  Bottom w0.25: v1(181.4,238.6) v1(181.4,231.1) v1(181.4,223.4)
Net-(Q724-Pad1): length 9.4
  Top w0.25: Q724.1 182.2,244.35 Q732.3 ; Q732.3 182.93,244.47 R330.2 ; Q732.3 Q731.3
Net-(Q726-Pad1): length 9.4
  Top w0.25: Q726.1 182.2,229.15 Q734.3 ; Q734.3 Q733.3 ; Q734.3 182.93,229.27 R331.2
Net-(Q737-Pad2): length 2.1
  Top w0.25: Q737.2 179.45,191.05 Q745.3
Net-(Q738-Pad2): length 2.1
  Top w0.25: Q738.2 179.45,183.55 Q746.3
Net-(Q739-Pad2): length 2.1
  Top w0.25: Q739.2 179.45,179.75 Q747.3
Net-(Q740-Pad2): length 2.1
  Top w0.25: Q740.2 179.45,213.85 Q748.3
Net-(Q741-Pad2): length 2.1
  Top w0.25: Q741.2 179.45,210.05 Q749.3
Net-(Q742-Pad2): length 2.1
  Top w0.25: Q742.2 179.45,202.45 Q750.3
Net-(Q743-Pad2): length 2.1
  Top w0.25: Q743.2 179.45,198.65 Q751.3
Net-(Q745-Pad2): length 10.7
  Top w0.25: v1(179.6,189.8) 178.35,191.05 Q745.2 ; v1(179.6,195.7) 178.6,195.7 Q752.3
  Bottom w0.25: v1(179.6,189.8) v1(179.6,195.7)
Net-(Q746-Pad2): length 10
  Top w0.25: Q753.3 177.28,187.08 177.28,184.33 Q746.2 177.28,182.77 177.28,180.91 176.5,180.14 Q747.2
Net-(Q748-Pad2): length 11.7
  Top w0.25: v1(177.4,218.6) Q754.3 ; v1(177.7,213.8) 177.65,213.85 Q748.2 177.28,213.07 177.28,210.83 Q749.2
  Bottom w0.25: v1(177.7,213.8) 177.7,218.3 v1(177.4,218.6)
Net-(Q750-Pad2): length 14.3
  Top w0.25: Q755.3 177.7,208 v1(177.7,208.22) ; v1(177.65,202.35) 176.6,202.35 Q750.2 ; v1(177.7,198.5) 177.55,198.65 Q751.2
  Bottom w0.25: v1(177.7,198.5) 177.7,201.62 ; 177.7,201.62 177.7,202.3 v1(177.65,202.35) ; 177.7,201.62 v1(177.7,208.22)
Net-(Q756-Pad2): length 2.1
  Top w0.25: Q757.3 137.45,121.45 Q756.2
